# KiCad board chastity.kicad_pcb (continued)
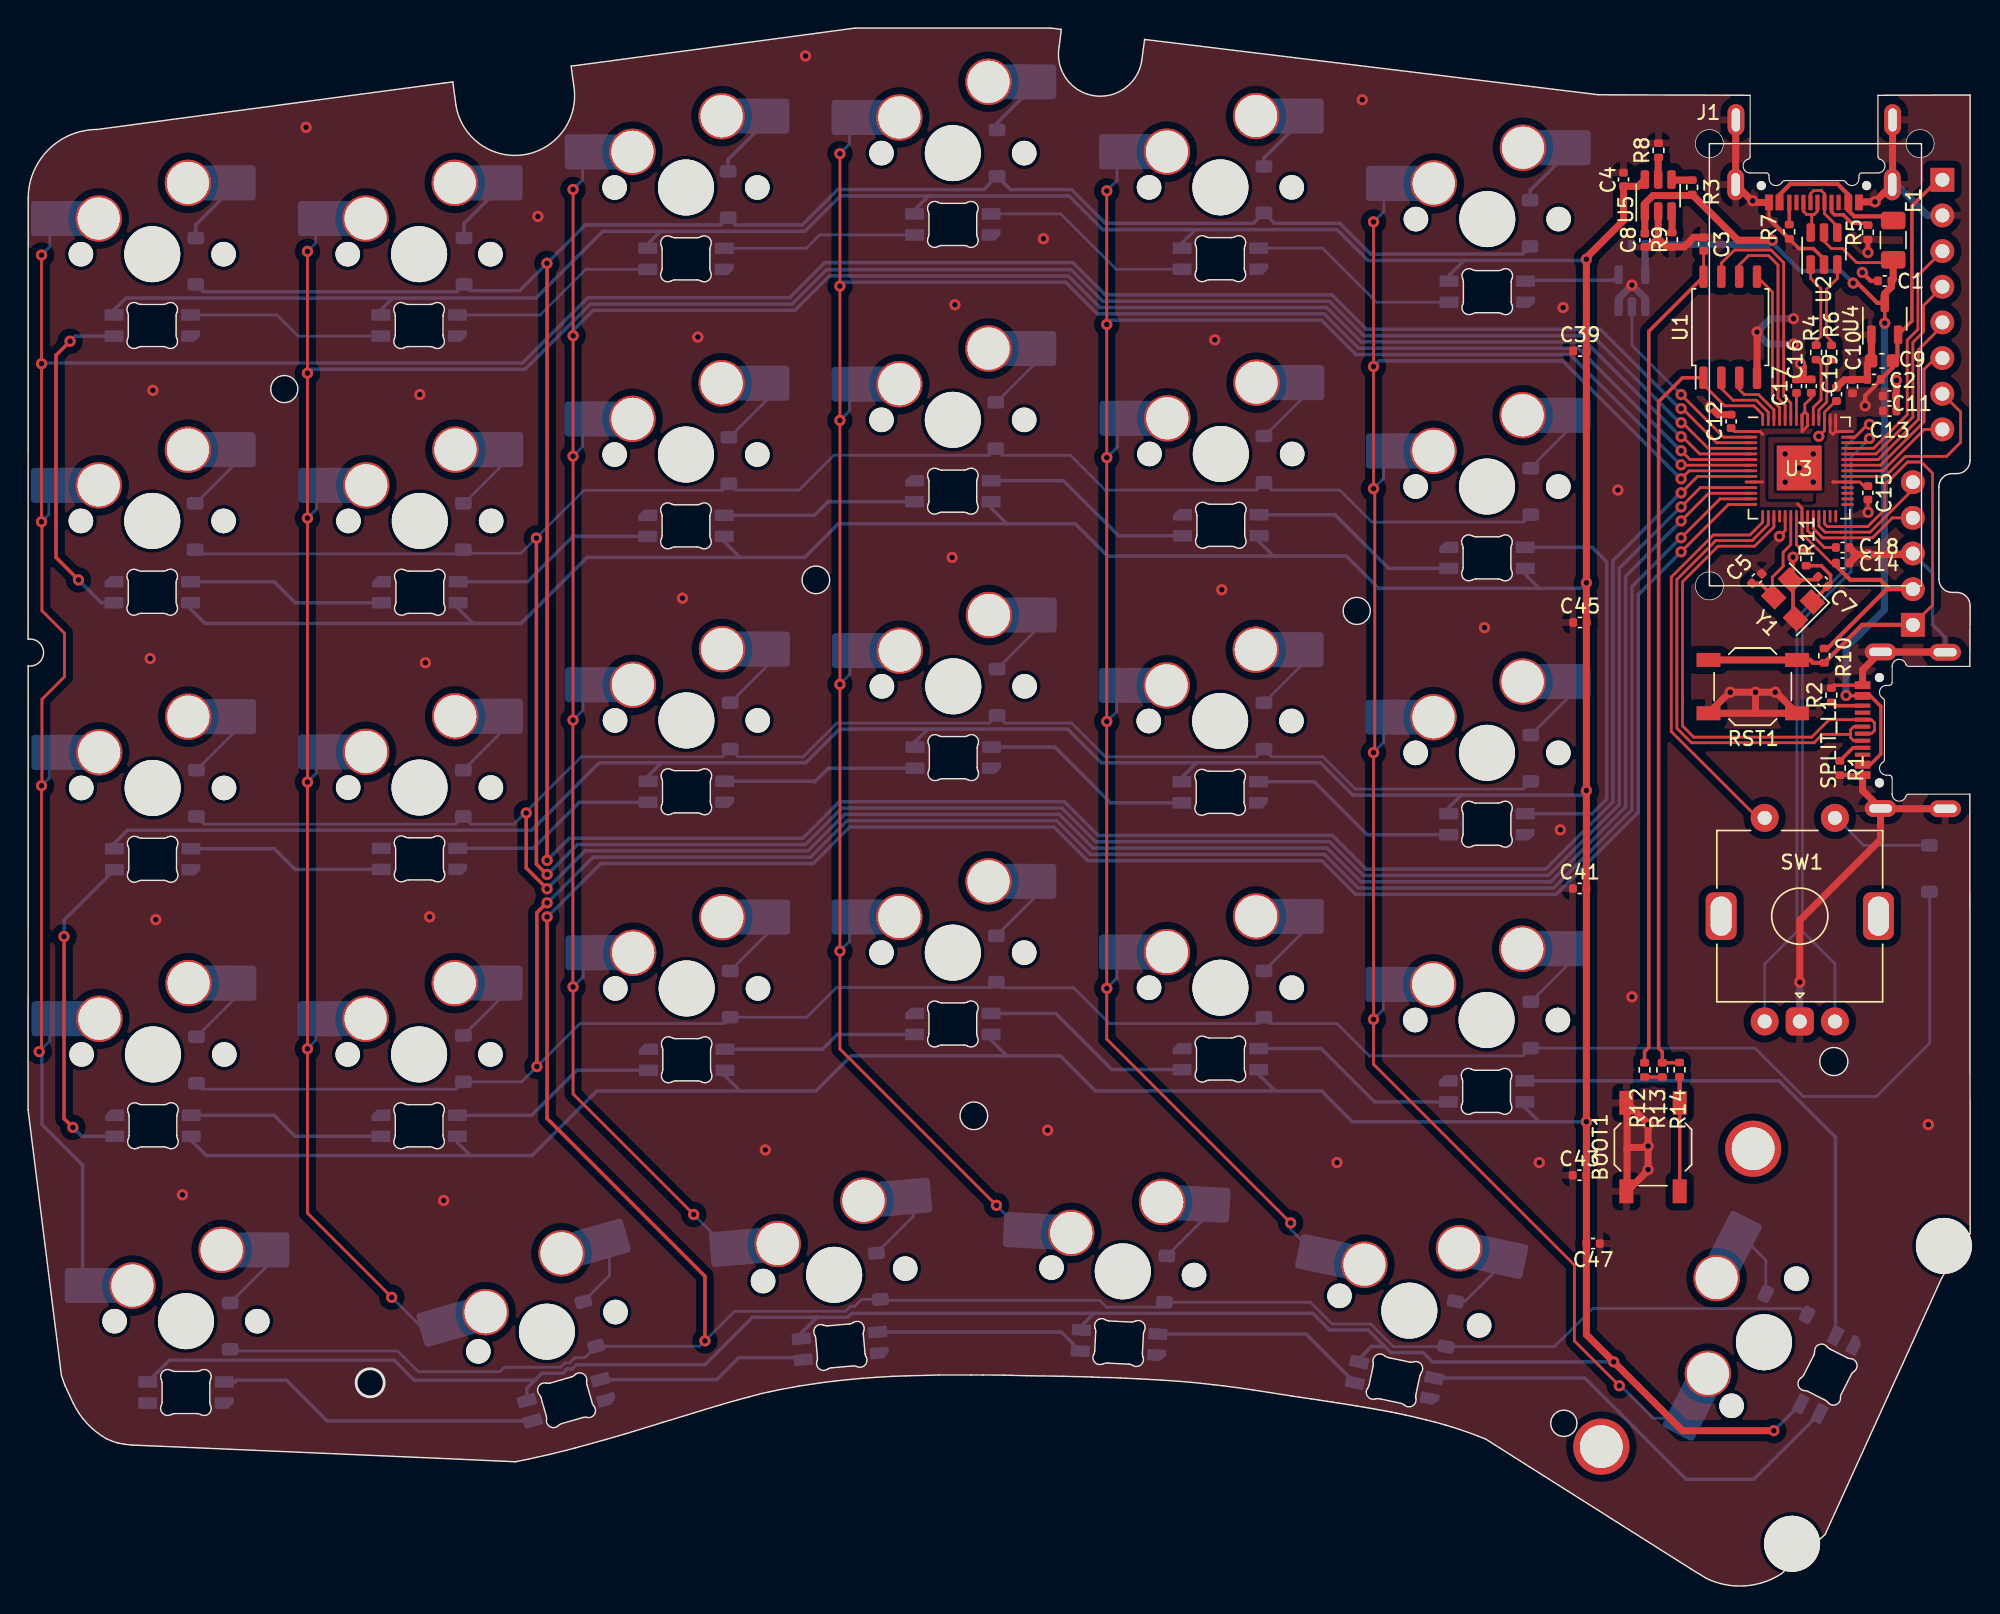
[diagram p0: board, top side]
## Nets
+1V1: C17.1 C18.1 C19.1 U3.23 U3.45 U3.50
+3V3: C2.1 C3.1 C9.1 C10.1 C11.1 C12.1 C13.1 C14.1 C15.1 C16.1 J2.2 J3.1 R10.2 R12.2 U1.8 U3.1 U3.10 U3.22 U3.33 U3.42 U3.43 U3.44 U3.48 U3.49 U4.2
GND: BOOT1.1 C1.2 C2.2 C3.2 C4.1 C5.1 C6.1 C7.2 C8.2 C9.2 C10.2 C11.2 C12.2 C13.2 C14.2 C15.2 C16.2 C17.2 C18.2 C19.2 C39.1 C41.1 C43.1 C45.1 C47.1 J1.A1 J1.A12 J1.B1 J1.B12 J1.S1 J2.3 J3.2 LED1.4 LED2.4 LED3.4 LED4.4 LED5.4 LED6.4 LED7.4 LED8.4 LED9.4 LED10.4 LED11.4 LED12.4 LED13.4 LED14.4 LED15.4 LED16.4 LED17.4 LED18.4 LED19.4 LED20.4 LED21.4 LED22.4 LED23.4 LED24.4 LED25.4 LED26.4 LED27.4 LED28.4 LED29.4 LED30.4 R1.2 R2.2 R5.2 R7.2 R8.2 R9.2 RST1.2 SPLIT_L1.A1 SPLIT_L1.A12 SPLIT_L1.B1 SPLIT_L1.B12 SPLIT_L1.S1 SW1.C U1.4 U2.2 U3.19 U3.57 U4.1 U5.2 U6.1 U6.3 Y1.2 Y1.4
VBUS: F1.1 J1.A4 J1.A9 J1.B4 J1.B9
bl_L: J3.8 U3.35
clk_L: J3.4 U3.38
col 0_L: SW1.S2 U3.15
col 1_L: MX6.1 MX12.1 MX18.1 MX24.1 MX30.1 U3.8
col 2_L: MX5.1 MX11.1 MX17.1 MX23.1 MX29.1 U3.7
col 3_L: MX4.1 MX10.1 MX16.1 MX22.1 MX28.1 U3.6
col 4_L: MX3.1 MX9.1 MX15.1 MX21.1 MX27.1 U3.5
col 5_L: MX2.1 MX8.1 MX14.1 MX20.1 MX26.1 U3.4
col 6_L: MX1.1 MX7.1 MX13.1 MX19.1 MX25.1 U3.3
cs_L: J3.5 U3.37
CURR_LIM_L: R8.1 U5.5
D_Split_L+: SPLIT_L1.A6 SPLIT_L1.B6 U3.17
D_Split_L-: SPLIT_L1.A7 SPLIT_L1.B7 U3.16
dc_L: J3.6 U3.36
DIN_L: J3.3 U3.39
DL+: R4.2 U2.1
DL-: R6.2 U2.3
DL_USB+: J1.A6 J1.B6 U2.6
DL_USB-: J1.A7 J1.B7 U2.4
LED_Data_3V3_L: U3.2 U6.2
LED_Data_5V_L: LED6.3 U6.4
LED_Pow_5V_L: C4.2 C39.2 C41.2 C43.2 C45.2 C47.2 LED1.1 LED2.1 LED3.1 LED4.1 LED5.1 LED6.1 LED7.1 LED8.1 LED9.1 LED10.1 LED11.1 LED12.1 LED13.1 LED14.1 LED15.1 LED16.1 LED17.1 LED18.1 LED19.1 LED20.1 LED21.1 LED22.1 LED23.1 LED24.1 LED25.1 LED26.1 LED27.1 LED28.1 LED29.1 LED30.1 U5.6
Q_CLK_L: U1.6 U3.52
Q_IO0_L: U1.5 U3.53
Q_IO1_L: U1.2 U3.55
Q_IO2_L: U1.3 U3.54
Q_IO3_L: U1.7 U3.51
Q_SEL_L: R13.1 R14.1 U1.1 U3.56
RESET_L: J2.1 R10.1 RST1.1 U3.26
rot A_L: SW1.A U3.41
rot B_L: SW1.B U3.40
row 0_L: D1.1 D2.1 D3.1 D4.1 D5.1 D6.1 U3.9
row 1_L: D7.1 D8.1 D9.1 D10.1 D11.1 D12.1 U3.11
row 2_L: D13.1 D14.1 D15.1 D16.1 D17.1 D18.1 U3.12
row 3_L: D19.1 D20.1 D21.1 D22.1 D23.1 D24.1 D61.1 U3.13
row 4_L: D25.1 D26.1 D27.1 D28.1 D29.1 D30.1 U3.14
rst_L: J3.7 U3.34
SK6803_EN_L: R9.1 U5.3
SK6803_NFAULT_L: R3.1 U5.4
Split_5v5_L: C1.1 C6.2 C8.1 F1.2 R3.2 SPLIT_L1.A4 SPLIT_L1.A9 SPLIT_L1.B4 SPLIT_L1.B9 U2.5 U4.3 U5.1 U6.5
SWC_L: J2.4 U3.24
SWD_L: J2.5 U3.25
XIN_L: C5.2 U3.20 Y1.3
XOUT_L: R11.1 U3.21
Net-(BOOT1-Pad2): BOOT1.2 R14.2
Net-(C7-Pad1): C7.1 R11.2 Y1.1
Net-(D1-A): D1.2 MX1.2
Net-(D2-A): D2.2 MX2.2
Net-(D3-A): D3.2 MX3.2
Net-(D4-A): D4.2 MX4.2
Net-(D5-A): D5.2 MX5.2
Net-(D6-A): D6.2 MX6.2
Net-(D7-A): D7.2 MX7.2
Net-(D8-A): D8.2 MX8.2
Net-(D9-A): D9.2 MX9.2
Net-(D10-A): D10.2 MX10.2
Net-(D11-A): D11.2 MX11.2
Net-(D12-A): D12.2 MX12.2
Net-(D13-A): D13.2 MX13.2
Net-(D14-A): D14.2 MX14.2
Net-(D15-A): D15.2 MX15.2
Net-(D16-A): D16.2 MX16.2
Net-(D17-A): D17.2 MX17.2
Net-(D18-A): D18.2 MX18.2
Net-(D19-A): D19.2 MX19.2
Net-(D20-A): D20.2 MX20.2
Net-(D21-A): D21.2 MX21.2
Net-(D22-A): D22.2 MX22.2
Net-(D23-A): D23.2 MX23.2
Net-(D24-A): D24.2 MX24.2
Net-(D25-A): D25.2 MX25.2
Net-(D26-A): D26.2 MX26.2
Net-(D27-A): D27.2 MX27.2
Net-(D28-A): D28.2 MX28.2
Net-(D29-A): D29.2 MX29.2
Net-(D30-A): D30.2 MX30.2
Net-(D61-A): D61.2 SW1.S1
Net-(J1-CC1): J1.A5 R5.1
Net-(J1-CC2): J1.B5 R7.1
Net-(LED1-DIN): LED1.3 LED2.2
Net-(LED1-DOUT): LED1.2 LED7.3
Net-(LED2-DIN): LED2.3 LED3.2
Net-(LED3-DIN): LED3.3 LED4.2
Net-(LED4-DIN): LED4.3 LED5.2
Net-(LED5-DIN): LED5.3 LED6.2
Net-(LED7-DOUT): LED7.2 LED8.3
Net-(LED8-DOUT): LED8.2 LED9.3
Net-(LED10-DIN): LED9.2 LED10.3
Net-(LED10-DOUT): LED10.2 LED11.3
Net-(LED11-DOUT): LED11.2 LED12.3
Net-(LED12-DOUT): LED12.2 LED18.3
Net-(LED13-DIN): LED13.3 LED14.2
Net-(LED13-DOUT): LED13.2 LED19.3
Net-(LED14-DIN): LED14.3 LED15.2
Net-(LED15-DIN): LED15.3 LED16.2
Net-(LED16-DIN): LED16.3 LED17.2
Net-(LED17-DIN): LED17.3 LED18.2
Net-(LED19-DOUT): LED19.2 LED20.3
Net-(LED20-DOUT): LED20.2 LED21.3
Net-(LED21-DOUT): LED21.2 LED22.3
Net-(LED22-DOUT): LED22.2 LED23.3
Net-(LED23-DOUT): LED23.2 LED24.3
Net-(LED24-DOUT): LED24.2 LED30.3
Net-(LED25-DIN): LED25.3 LED26.2
Net-(LED26-DIN): LED26.3 LED27.2
Net-(LED27-DIN): LED27.3 LED28.2
Net-(LED28-DIN): LED28.3 LED29.2
Net-(LED29-DIN): LED29.3 LED30.2
Net-(R12-Pad1): R12.1 R13.2
Net-(SPLIT_L1-CC1): R1.1 SPLIT_L1.A5
Net-(SPLIT_L1-CC2): R2.1 SPLIT_L1.B5
Net-(U3-USB_DM): R6.1 U3.46
Net-(U3-USB_DP): R4.1 U3.47

Pads without a net: J1 A8 B8; LED25 2; SPLIT_L1 A8 B8; SW1 MP; U3 18 27 28 29 30 31 32

## Via types
v1: diameter 0.8, hole 0.4, Top to Bottom, 131 vias

## Routing (per net, layer and track width the routed paths; a pad name or vN(x,y) marks a point on that pad's centre or on a via; arc(x,y) is an arc through that point)
+1V1: length 9.2
  Top w0.2: v1(127.49,81.89) 127.9,82.3 U3.45 ; U3.45 127.9,83.61 128.7,84.41 C19.1 ; U3.45 127.9,82.44 ; C17.1 125.9,84.44 125.9,84.44 U3.50 ; U3.23 126.7,75.17 127.89,73.97 C18.1
+3V3: length 109.4
  Top w0.2: C15.1 130.71,78.35 130.42,78.64 U3.33 128.5,78.64 128.5,78.64 128.7,78.64 ; 128.7,82.24 128.7,82.24 U3.42 ; 128.7,82.24 128.5,82.04 128.3,82.24 U3.44 ; 128.7,82.24 U3.43 ; 125.99,77.07 126.3,76.76 U3.22 126.3,74.96 128.39,72.87 C14.1 ; 126.5,83.64 126.7,83.44 U3.48 126.7,82.64 126.3,82.24 U3.49 126.3,83.44 126.5,83.64 ; 126.5,83.64 126.5,84.18 126.96,84.63 C16.1 ; U1.8 119.29,93.28 C3.1 ; U3.10 123.49,78.64 ; C12.1 121.49,82.24 U3.1 123.29,82.24 123.5,82.04
  Top w0.25: U1.8 115.39,89.37 115.39,38.37 115.09,38.07 R12.2 ; U4.2 134.12,90.12 134.12,98.3 135.59,99.77
  Top w0.3: 132.53,71.01 132.33,71.01 128.1,66.78 R10.2 ; 132.53,71.01 J2.2 ; 132.53,71.01 131.87,71.67 129.74,71.67 128.77,72.63 128.77,72.8 C14.1 ; v1(130.79,84.07) 130.79,84.79 131.9,85.9 C2.1 132.76,86.81 C9.1 133.09,87.59 133.09,89.08 U4.2
GND: length 165.6
  Top w0.2: v1(131,76.48) 130.99,76.49 C15.2 ; v1(124.69,74.77) 125.1,75.18 U3.19 ; R7.2 123.95,97.4 J1.A12 123.83,98.67 v1(122.79,98.67) ; 131.24,87.29 C9.2
  Top w0.25: R7.2 126.08,95.27 127.11,95.27 127.86,94.51 U2.2 ; SPLIT_L1.A12 130.61,64.16 128.58,64.16 R2.2 ; R1.2 128.99,57.76 SPLIT_L1.A1 ; Y1.4 125.65,69.08 125.65,71.49 Y1.2 ; C7.2 127.23,71.69 125.5,71.69 125.65,71.84 v1(125.65,73.29)
  Top w0.3: J1.S1 132.72,104.41 J1.S1 ; 122.99,98.47 v1(122.79,98.67) ; v1(131.49,98.6) 131.44,98.55 J1.A1 ; v1(130.59,93.57) 131.2,92.96 C1.2 ; 124,97.35 R7.2 ; v1(130.99,94.98) 130.99,95.92
  Top w0.5: 113.84,31.24 115.24,31.24 v1(115.34,31.34) ; 117.07,95.36 R9.2 117.91,95.39 118.59,96.07 C3.2 ; 122.99,62.17 RST1.2 121.14,63.67 v1(121.19,63.67) v1(122.99,63.67) ; 122.99,62.17 RST1.2 124.44,63.67 v1(124.39,63.67) v1(122.99,63.67) ; 122.99,62.17 v1(122.99,63.67) ; J2.3 134.11,73.47 v1(130.99,73.47) 130.17,73.47 ; 130.17,73.47 C18.2 ; 130.17,73.47 130.17,73.37 C14.2 ; 116.04,96.02 115.4,95.38 C8.2 ; 116.04,96.02 116.7,95.36 ; 116.04,96.02 116.06,96.04 U5.2 ; C9.2 130.94,87 C2.2 129.92,85.95 C10.2 129.3,85.92 C19.2 ; 130.61,64.25 SPLIT_L1.A12 130.61,65.26 SPLIT_L1.S1 136.47,66.54 ; 131.24,87.29 U4.1 ; J1.S1 121.57,104.41 J1.S1 122.73,98.67 v1(122.79,98.67) 122.91,98.55 J1.A12 ; 115.34,29.62 113.84,28.12 113.84,34.42 115.34,32.92 ; J1.S1 132.74,99.85 J1.S1 v1(131.49,98.6) 130.39,98.6 J1.A1 ; C12.2 120.32,83.44 v1(119.77,83.99) ; SPLIT_L1.S1 130.61,56.67 SPLIT_L1.A1 ; SPLIT_L1.S1 131.91,55.37 SPLIT_L1.S1 ; SPLIT_L1.S1 131.89,53.17 126.14,47.42 v1(126.14,43.02) ; v1(133.01,85.88) C13.2 ; C17.2 126.39,85.95 ; 126.39,85.95 C16.2 ; 126.39,85.95 126.39,86.87 v1(126.19,87.07) ; v1(115.34,31.34) v1(115.34,32.87) ; v1(115.34,31.34) v1(115.34,29.67) ; v1(123.09,89.32) U1.4
  Bottom w0.25: J2.3 135.59,72.15 135.59,68.47 136.49,67.57 SPLIT_L1.S1
  Bottom w0.3: J1.S1 122.73,98.67 v1(122.79,98.67)
  Bottom w0.5: SW1.C v1(126.14,43.02) ; v1(125.69,88.47) 123.89,88.47 123.09,89.26 v1(123.09,89.32) 124.04,90.27 v1(125.69,90.27) ; 134.07,73.43 J2.3 ; U6.3 113.24,91.72 v1(114.19,92.67) 115.14,91.72 U6.1 ; SPLIT_L1.S1 131.91,66.52 SPLIT_L1.S1 ; J1.S1 133.03,99.83 135.23,97.63 J3.2
  vias: v1(8.69,66.07) v1(8.89,85.17) v1(9.09,47.47) v1(10.99,27.87) v1(19.79,103.91) v1(27.89,84.87) v1(28.29,65.77) v1(28.59,47.67) v1(29.59,27.47) v1(36.3,97.56) v1(46.59,70.37) v1(47.69,88.97) v1(52.49,31.07) v1(55.35,108.99) v1(65.79,73.27) v1(65.99,91.27) v1(72.29,95.97) v1(72.59,32.47) v1(84.49,88.77) v1(84.99,70.97) v1(93.19,30.17) v1(94.99,105.87) v1(103.69,68.27) v1(107.59,30.17) v1(109.09,53.87) v1(109.29,91.07) v1(113.19,78.07) v1(114.19,41.97) v1(125.1,80.64) v1(125.1,78.64) v1(126.1,79.64) v1(127.1,80.64) v1(127.1,78.64) v1(135.29,32.87)
VBUS: length 10.7
  Top w0.3: F1.1 132.5,97.56 130.02,97.56 129.6,97.98 J1.A4 129.6,99.1 128.83,99.87 125.46,99.87 124.7,99.1 J1.A9
bl_L: length 8
  Top w0.2: J3.8 135.01,82.39 132.06,79.44 U3.35
clk_L: length 15.9
  Top w0.2: U3.38 131.56,80.64 134.19,83.27 134.19,88.58 134.95,89.35 134.95,91.21 J3.4
col 0_L: length 28.7
  Top w0.2: SW1.S2 123.14,54.72 116.99,60.87 116.99,71.87 119.99,74.87 122.59,74.87 123.5,75.78 U3.15
col 1_L: length 138.8
  Top w0.2: U3.8 118.26,79.44 v1(117.69,78.87) ; 95.7,59.28 v1(95.79,59.37) v1(95.79,40.37) 95.79,37.17 110.09,22.87 110.09,17.47 v1(113.29,14.27) ; 95.7,78.08 95.79,77.99 ; 95.88,78.08 95.88,59.46 ; v1(95.79,97.17) v1(95.79,78.17)
  Bottom w0.2: 95.7,78.08 96.51,78.89 MX12.1 ; MX18.1 96.51,60.09 95.7,59.28 ; v1(113.29,14.27) 113.39,14.27 115.69,11.96 MX30.1 ; MX24.1 96.48,41.06 95.7,40.28 ; 95.7,97.08 96.53,97.91 MX6.1
  Bottom w0.25: v1(95.79,86.87) 96.19,87.27 109.26,87.27 117.66,78.87 v1(117.69,78.87)
col 2_L: length 144.1
  Top w0.2: v1(76.8,99.38) v1(76.8,80.38) v1(76.8,61.58) v1(76.8,42.58) 76.8,38.96 v1(89.89,25.87) ; U3.7 117.72,79.84 v1(117.69,79.87)
  Bottom w0.2: v1(76.8,61.58) 77.51,62.29 MX17.1 ; v1(76.8,80.38) 77.56,81.14 MX11.1 ; v1(89.89,25.87) 89.89,25.41 MX29.1 ; MX23.1 77.53,43.31 v1(76.8,42.58) ; v1(76.8,99.38) 77.53,100.11 MX5.1
  Bottom w0.25: v1(117.69,79.87) 117.64,79.87 109.79,87.72 94.54,87.72 92.09,90.17 77.1,90.17 v1(76.8,89.87)
col 3_L: length 163.4
  Top w0.2: v1(68.94,27.12) 68.94,27.12 57.8,38.26 v1(57.8,45.23) v1(57.8,64.23) v1(57.8,83.03) v1(57.8,102.03) ; v1(117.69,80.87) 118.32,80.24 U3.6
  Bottom w0.2: v1(57.8,45.23) 58.48,45.91 MX22.1 ; MX4.1 58.48,102.71 v1(57.8,102.03) ; v1(57.8,64.23) 58.51,64.94 MX16.1 ; MX10.1 58.48,83.71 v1(57.8,83.03) ; v1(68.94,27.12) MX28.1
  Bottom w0.25: v1(117.69,80.87) 117.66,80.87 110.36,88.17 94.72,88.17 92.27,90.62 76.13,90.62 73.88,92.87 58.07,92.87 v1(57.8,92.59)
col 4_L: length 182.6
  Top w0.2: v1(47.39,26.47) 38.8,35.06 v1(38.8,42.68) 38.79,42.69 38.79,61.67 v1(38.8,61.68) v1(38.8,80.48) v1(38.8,99.48) ; U3.5 119.02,80.64 117.79,81.87 v1(117.69,81.87)
  Bottom w0.2: v1(47.39,26.47) 49.8,24.06 MX27.1 ; v1(38.8,42.68) 39.53,43.41 MX21.1 ; v1(38.8,61.68) 39.51,62.39 MX15.1 ; MX9.1 39.48,81.16 v1(38.8,80.48) ; v1(38.8,99.48) 39.48,100.16 MX3.1
  Bottom w0.25: v1(38.81,89.06) 38.81,89.45 40.22,90.87 54.59,90.87 57.04,93.32 74.07,93.32 76.31,91.07 92.46,91.07 94.91,88.62 110.91,88.62 117.66,81.87 v1(117.69,81.87)
col 5_L: length 202.2
  Top w0.2: v1(117.69,82.87) 117.79,82.87 119.62,81.04 U3.4 ; v1(25.89,20.57) 19.89,26.57 v1(19.89,38.27) v1(19.89,57.27) v1(19.89,76.07) v1(19.89,95.07)
  Bottom w0.2: v1(19.89,76.07) 20.53,76.71 MX8.1 ; MX26.1 27.93,18.53 v1(25.89,20.57) ; MX2.1 20.48,95.66 v1(19.89,95.07) ; v1(19.89,57.27) 20.51,57.89 MX14.1 ; v1(19.89,38.27) 20.48,38.86 MX20.1
  Bottom w0.25: v1(19.89,86.39) 20.16,86.67 35.39,86.67 40.04,91.32 54.4,91.32 56.85,93.77 74.25,93.77 76.5,91.52 92.65,91.52 95.1,89.07 111.39,89.07 117.59,82.87 v1(117.69,82.87)
col 6_L: length 216.8
  Top w0.2: v1(0.95,94.81) v1(0.95,87.07) v1(0.95,75.81) 0.99,75.77 0.99,69.47 2.59,67.87 2.59,64.77 0.99,63.17 0.99,57.04 v1(0.95,57.01) 0.95,38.23 v1(0.79,38.07) ; v1(117.69,83.87) 117.79,83.87 120.22,81.44 U3.3
  Bottom w0.2: MX19.1 1.53,38.81 v1(0.79,38.07) ; v1(0.95,57.01) 1.51,57.56 MX13.1 ; MX7.1 1.48,76.33 v1(0.95,75.81) ; v1(0.95,94.81) 1.54,95.4 1.54,97.15
  Bottom w0.25: 1.51,40.43 MX19.1 ; v1(0.95,87.07) 1,87.12 35.2,87.12 39.85,91.77 54.22,91.77 56.72,94.27 74.39,94.27 76.69,91.97 92.83,91.97 95.28,89.52 111.94,89.52 117.59,83.87 v1(117.69,83.87) ; v1(0.79,38.07) 0.99,37.87 0.99,32.87 3.88,29.98 MX25.1 ; 1.48,59.42 MX13.1
cs_L: length 13.8
  Top w0.2: U3.37 131.73,80.24 134.59,83.1 134.59,88.07 136.29,89.77 J3.5
CURR_LIM_L: length 1.6
  Top w0.5: R8.1 116.06,101.73 U5.5
D_Split_L+: length 35.3
  Top w0.2: U3.17 124.3,75.44 122.92,74.07 120.32,74.07 117.79,71.54 117.79,61.27 118.59,60.47 126.99,60.47 128.23,61.71 SPLIT_L1.B6 131.23,61.71 131.46,61.49 131.46,60.94 131.23,60.71 SPLIT_L1.A6
D_Split_L-: length 34.8
  Top w0.2: SPLIT_L1.B7 129.98,60.21 129.76,60.44 129.76,60.67 ; SPLIT_L1.A7 129.98,61.21 129.76,60.99 129.76,60.67 ; 129.76,60.67 127.75,60.67 127.15,60.07 118.42,60.07 117.39,61.1 117.39,71.7 120.15,74.47 122.75,74.47 123.9,75.61 U3.16
dc_L: length 12.1
  Top w0.2: U3.36 131.89,79.84 134.99,82.94 134.99,86.67 135.79,87.47 J3.6
DIN_L: length 17.9
  Top w0.2: J3.3 134.55,93.35 134.55,89.51 133.79,88.75 133.79,83.43 132.28,81.92 132.27,81.92 131.39,81.04 U3.39
DL+: length 6.2
  Top w0.2: U2.1 126.91,93.14 127.64,92.41 127.64,89 127.3,88.66 R4.2
DL-: length 6.2
  Top w0.2: R6.2 128.39,88.67 128.04,89.02 128.04,92.36 128.81,93.14 U2.3
DL_USB+: length 3.8
  Top w0.2: J1.A6 127.4,97.93 127.17,97.7 126.62,97.7 126.4,97.93 J1.B6 ; 126.99,97.7 126.99,96.48 U2.6
DL_USB-: length 5
  Top w0.2: J1.A7 126.9,99.17 127.12,99.4 127.67,99.4 127.9,99.17 J1.B7 127.9,97.76 128.81,96.84 U2.4
LED_Data_3V3_L: length 13.9
  Top w0.2: U3.2 120.72,81.84 v1(117.69,84.87)
  Bottom w0.2: U6.2 114.19,88.37 v1(117.69,84.87)
LED_Data_5V_L: length 6.8
  Bottom w0.25: U6.4 112.84,93 106.67,93 LED6.3
LED_Pow_5V_L: length 686.4
  Top w0.5: v1(124.29,11.07) 117.79,11.07 v1(112.89,15.97) 110.94,17.91 v1(110.94,33.07) v1(110.94,56.67) v1(110.94,94.51) 110.94,94.62 113.59,97.27 C4.2 114.63,99.71 U5.6
  Bottom w0.25: LED26.1 35.51,14.09 36.09,14.67 ; LED7.1 11.56,69.59 12.59,68.57 31.69,68.57 ; LED18.1 101.14,55.45 102.04,56.34 ; 69.69,75.67 68.56,76.79 68.56,77.24 ; 69.69,75.67 57.69,75.67 55.29,73.27 39.79,73.27 35.09,68.57 31.69,68.57 ; 69.69,75.67 74.55,75.67 76.85,73.37 88.89,73.37 ; 102.29,94.42 95.39,94.42 93.2,96.62 83.11,96.62 ; 102.29,94.42 110.86,94.42 v1(110.94,94.51) ; 102.29,94.42 102.25,94.42 101.16,93.34 LED6.1 ; LED5.1 82.16,95.67 83.11,96.62 ; 50.69,35.27 40.49,35.27 35.89,30.67 31.49,30.67 ; 50.69,35.27 56.09,35.27 58.59,37.77 73.49,37.77 75.99,35.27 88.79,35.27 ; 50.69,35.27 49.61,36.34 LED21.1 ; v1(110.94,33.07) 94.29,33.07 92.09,35.27 88.79,35.27 ; 31.69,68.57 30.61,69.64 LED8.1 ; 45.09,58.64 55.36,58.64 57.76,61.04 74.01,61.04 76.41,58.64 92.01,58.64 94.31,56.34 102.04,56.34 ; 45.09,58.64 44.14,57.7 LED15.1 ; 45.09,58.64 40.66,58.64 35.86,53.84 7.08,53.84 6.14,52.9 LED13.1 ; 31.49,30.67 12.69,30.67 11.61,31.74 LED19.1 ; 31.49,30.67 30.56,31.59 LED20.1 ; v1(110.94,71.47) 110.54,71.07 107.59,71.07 ; 83.11,96.62 76.5,96.62 74.1,99.02 57.82,99.02 55.31,96.5 45.02,96.5 ; 64.09,61.04 64.06,61.04 63.14,60.12 LED16.1 ; 102.04,56.34 110.62,56.34 v1(110.94,56.67) ; LED12.1 106.59,72.06 107.59,71.07 ; 107.59,71.07 96.15,71.07 93.85,73.37 88.89,73.37 ; 88.89,73.37 88.66,73.37 87.64,74.38 LED11.1 ; 88.79,35.27 87.61,36.44 LED23.1 ; LED29.1 94.77,16.2 95.64,17.07 96.59,17.07 ; 36.09,14.67 27.49,14.67 26.06,16.09 10.07,16.09 LED25.1 ; 36.09,14.67 36.58,15.16 38.08,15.16 38.39,15.47 38.74,15.47 39.04,15.77 48.19,15.77 51.56,19.14 58.36,19.14 58.64,19.43 91.48,19.43 92.66,18.24 95.41,18.24 97.03,16.63 99.33,16.63 99.99,15.97 v1(112.89,15.97) ; 45.02,96.5 40.92,96.5 36.16,91.74 25.96,91.74 ; 45.02,96.5 44.11,95.59 LED3.1 ; 50.69,73.27 49.56,74.39 49.56,74.77 ; LED1.1 6.11,90.89 6.96,91.74 25.96,91.74 ; LED27.1 55.05,18.03 56.16,19.14 56.19,19.14 ; 107.59,33.07 106.56,34.09 LED24.1 ; 83.19,58.64 82.14,57.6 LED17.1 ; LED2.1 25.11,90.89 25.96,91.74 ; LED4.1 63.11,98.02 64.11,99.02 64.19,99.02 ; LED28.1 74.99,18.53 75.89,19.43 ; 69.69,37.77 68.56,38.89 68.56,39.29 ; v1(124.29,11.07) 124.3,11.07 LED30.1
Q_CLK_L: length 15.4
  Top w0.2: 121.82,93.27 121.82,94.1 122.49,94.77 123.92,94.77 124.59,94.1 124.59,84.61 125.1,84.11 U3.52
Q_IO0_L: length 10.9
  Top w0.2: U3.53 124.7,83.94 124.19,84.45 124.19,92.17 U1.5
Q_IO1_L: length 5.3
  Top w0.2: U1.2 120.55,85.3 121.39,84.47 123.04,84.47 123.9,83.61 U3.55
Q_IO2_L: length 4.6
  Top w0.2: U3.54 124.3,83.77 123.2,84.87 122.19,84.87 121.82,85.23 121.82,86.07
Q_IO3_L: length 17.6
  Top w0.2: U1.7 120.55,94.23 121.49,95.17 124.09,95.17 124.99,94.27 124.99,84.78 125.5,84.27 U3.51
Q_SEL_L: length 58.3
  Top w0.2: U1.1 119.28,85.57 120.79,84.07 122.87,84.07 123.5,83.44 U3.56
  Top w0.25: R14.1 117.56,37.27 R13.1 116.35,38.06 116.09,38.32 116.09,84.37 117.79,86.07 U1.1
RESET_L: length 38.7
  Top w0.2: U3.26 127.9,75.67 128.1,75.46 128.89,75.46 128.9,75.47 130.98,75.47 132.19,76.68 132.19,78.47 132.36,78.64 132.39,78.64 133.82,80.07 134.79,80.07 135.59,79.27 135.59,69.87 J2.1
  Top w0.3: RST1.1 126.89,65.97 127.1,65.76 R10.1 130.59,68.47 J2.1
  Top w0.5: RST1.1 RST1.1
rot A_L: length 47.6
  Top w0.2: v1(131.1,82.74) 130.97,82.74 130.07,81.84 U3.41
  Bottom w0.2: v1(131.1,82.74) 130.97,82.74 129.39,81.17 129.39,72.43 125.93,68.98 125.93,46.61 123.64,44.32 SW1.A
rot B_L: length 46.2
  Top w0.2: v1(131.1,81.74) 131.1,81.73 130.81,81.44 U3.40
  Bottom w0.2: SW1.B 128.64,44.34 126.33,46.65 126.33,68.81 129.79,72.27 129.79,80.41 131.1,81.73 v1(131.1,81.74)
row 0_L: length 256.2
  Top w0.2: v1(117.69,77.87) 118.86,79.04 U3.9
  Top w0.25: v1(36.94,94.22) 36.95,94.21 v1(36.95,51.69)
  Bottom w0.25: D6.1 106.4,94.87 95.58,94.87 93.39,97.07 88.74,97.07 D5.1 87.24,97.07 76.69,97.07 74.29,99.47 69.94,99.47 D4.1 68.04,99.47 57.64,99.47 55.12,96.95 50.36,96.95 D3.1 49.32,96.95 39.67,96.95 34.99,92.27 31.49,92.27 D2.1 30.51,92.19 12.46,92.19 D1.1 ; v1(36.95,51.69) 38.53,53.27 55.15,53.27 57.75,55.87 73.79,55.87 76.19,53.47 92.86,53.47 95.26,51.07 108.04,51.07 112.84,55.86 112.84,73.04 117.66,77.87 v1(117.69,77.87)
row 1_L: length 237
  Top w0.2: v1(117.69,76.87) 119.06,78.24 U3.11
  Top w0.25: v1(36.95,50.69) 36.92,50.69 36.19,51.43 v1(36.19,74.65)
  Bottom w0.2: D7.1 12.18,73.52 30.69,73.52 D8.1 31.24,73.57 35.09,73.57 39.57,78.05 49.42,78.05 D9.1 50.34,78.07 54.89,78.07 57.37,80.55 68.42,80.55 D10.1 69.36,80.55 74.21,80.55 76.69,78.07 87.44,78.07 D11.1 88.54,78.07 93.39,78.07 95.67,75.79 106.46,75.79 D12.1
  Bottom w0.25: v1(117.69,76.87) 117.66,76.87 113.29,72.49 113.29,55.68 108.23,50.62 95.07,50.62 92.67,53.02 76,53.02 73.6,55.42 57.94,55.42 55.34,52.82 39.1,52.82 36.98,50.69 v1(36.95,50.69)
row 2_L: length 219.2
  Top w0.2: v1(117.69,75.87) 119.66,77.84 U3.12
  Top w0.25: v1(35.46,55.07) 35.46,51.15 v1(36.95,49.67)
  Bottom w0.2: D18.1 106.44,56.77 94.49,56.77 92.19,59.07 88.54,59.07 D17.1 87.44,59.07 76.69,59.07 74.29,61.47 69.54,61.47 D16.1 68.44,61.47 57.59,61.47 55.19,59.07 50.54,59.07 D15.1 49.44,59.07 39.39,59.07 34.59,54.27 31.54,54.27 D14.1 30.44,54.27 12.54,54.27 D13.1
  Bottom w0.25: v1(117.69,75.87) 113.74,71.92 113.74,55.49 108.42,50.17 94.89,50.17 92.49,52.57 75.82,52.57 73.42,54.97 58.12,54.97 55.52,52.37 39.65,52.37 36.95,49.67 v1(36.95,49.67)
row 3_L: length 266.2
  Top w0.2: U3.13 120.46,77.44 v1(117.69,74.67)
  Top w0.25: v1(36.95,48.67) 36.92,48.67 36.22,47.97 v1(36.22,37)
  Bottom w0.2: D19.1 12.41,35.4 30.47,35.4 D20.1 35.14,35.92 39.29,40.07 49.54,40.07 D21.1 55.44,40.52 57.55,42.63 68.55,42.63 D22.1 69.35,42.61 74.45,42.61 76.99,40.07 87.54,40.07 D23.1 88.44,40.07 93.19,40.07 95.49,37.77 106.44,37.77 D24.1 122.94,38.32 126.39,34.87 131.59,34.87 135.39,38.67 135.39,49.43 D61.1
  Bottom w0.25: v1(36.95,48.67) 36.98,48.67 40.23,51.92 55.71,51.92 58.31,54.52 73.23,54.52 75.63,52.12 92.3,52.12 94.7,49.72 108.6,49.72 114.19,55.3 114.19,71.19 117.66,74.67 v1(117.69,74.67)
row 4_L: length 263.9
  Top w0.2: U3.14 121.06,77.04 v1(117.69,73.67)
  Top w0.25: v1(48.19,17.47) 48.19,22.07 36.95,33.31 v1(36.95,47.67)
  Bottom w0.2: D25.1 14.52,16.74 26.32,16.74 27.79,15.27 33.59,15.27 33.91,15.59 37.9,15.59 38.21,15.9 38.56,15.9 38.93,16.27 39.63,16.27 D26.1 47.8,17.08 50.29,19.57 58.19,19.57 58.55,19.93 58.85,19.93 59.34,20.42 D27.1 60.75,20.35 76.29,20.35 76.78,19.87 80.55,19.87 D28.1 91.29,20.22 92.84,18.67 95.59,18.67 97.2,17.05 D29.1 108.67,17.05 111.39,19.77 126.21,19.77 D30.1
  Bottom w0.25: 36.95,47.73 v1(36.95,47.67) 36.98,47.67 40.78,51.47 55.9,51.47 58.5,54.07 73.04,54.07 75.44,51.67 92.12,51.67 94.52,49.27 108.79,49.27 114.64,55.12 114.64,70.62 v1(117.69,73.67)
rst_L: length 13.1
  Top w0.2: U3.34 132.22,79.04 133.65,80.47 136.59,80.47 137.59,81.47 137.59,83.63 J3.7
SK6803_EN_L: length 1.5
  Top w0.5: U5.3 117.04,97.87 R9.1
SK6803_NFAULT_L: length 1.5
  Top w0.5: U5.4 117.05,100.14 R3.1
Split_5v5_L: length 80.7
  Top w0.2: U2.5 127.86,95.79 128.39,95.27 129.19,95.27 130.19,94.27 132.59,94.27 F1.2
  Top w0.25: SPLIT_L1.A4 131.16,58.51 131.91,59.26 131.91,62.66 131.16,63.41 SPLIT_L1.A9 129.46,63.41 v1(129.44,63.44) ; v1(132.19,89.96) U4.3
  Top w0.3: U4.3 131.65,91.4 130.25,92.81 v1(129.94,92.81)
  Top w0.5: U4.3 132.19,92.07 132.67,92.55 C1.1 132.79,93.08 F1.2 ; C8.1 115.11,96.34 U5.1 115.11,98.47 115.68,99.04 118.39,99.04 R3.2 121.73,95.87 v1(124.19,95.87)
  Bottom w0.3: v1(129.94,92.81) 129.08,93.67 126.19,93.67 124.19,95.67 v1(124.19,95.87)
  Bottom w0.5: v1(132.19,89.96) 132.16,89.93 132.16,69.54 129.44,66.81 v1(129.44,63.44) ; v1(124.19,95.87) 123.89,95.57 C6.2 115.14,94.55 115.13,94.55 115.13,93.41 U6.5 115.18,93.37
SWC_L: length 8.8
  Top w0.2: J2.4 132.73,76.09 131.31,74.67 129.23,74.67 129.22,74.66 127.77,74.66 127.1,75.34 U3.24
SWD_L: length 9.4
  Top w0.2: U3.25 127.5,75.5 127.94,75.06 129.06,75.06 129.06,75.07 131.14,75.07 134.19,78.11 J2.5
XIN_L: length 8.3
  Top w0.2: U3.20 125.5,74.18 124.95,73.63 124.95,72.63 124.19,71.87 124.19,70.55 Y1.3
  Top w0.25: C5.2 123.31,71.43 Y1.3 124.23,70.5
XOUT_L: length 2.9
  Top w0.2: U3.21 125.9,74.18 126.37,73.7 R11.1
Net-(BOOT1-Pad2): length 8.2
  Top w0.25: BOOT1.2 BOOT1.2
  Top w0.3: BOOT1.2 117.59,36.26 R14.2
Net-(C7-Pad1): length 4.5
  Top w0.25: Y1.1 128.11,71.19 C7.1 128.33,71.43 128.33,72.01 127.66,72.68 R11.2
Net-(D1-A): length 5.2
  Bottom w0.25: MX1.2 11.94,96.96 D1.2
Net-(D2-A): length 5.1
  Bottom w0.25: D2.2 31.04,97.06 MX2.2
Net-(D3-A): length 5.2
  Bottom w0.25: D3.2 49.84,101.61 MX3.2
Net-(D4-A): length 4.6
  Bottom w0.25: MX4.2 68.99,104.21 D4.2
Net-(D5-A): length 4.8
  Bottom w0.25: D5.2 87.99,101.72 MX5.2
Net-(D6-A): length 5
  Bottom w0.25: MX6.2 106.94,99.41 D6.2
Net-(D7-A): length 5.1
  Bottom w0.2: MX7.2 14.93,80.11 11.94,77.12 D7.2
Net-(D8-A): length 5.1
  Bottom w0.2: D8.2 31.04,77.12 33.98,80.06 MX8.2
Net-(D9-A): length 5.1
  Bottom w0.2: D9.2 49.94,81.82 52.93,84.81 MX9.2
Net-(D10-A): length 5.1
  Bottom w0.2: D10.2 68.94,84.32 71.93,87.31 MX10.2
Net-(D11-A): length 5.1
  Bottom w0.2: D11.2 88.04,81.92 91.01,84.89 MX11.2
Net-(D12-A): length 5
  Bottom w0.2: D12.2 106.99,79.67 109.96,82.64 MX12.2
Net-(D13-A): length 5
  Bottom w0.2: MX13.2 14.96,61.09 D13.2
Net-(D14-A): length 5.1
  Bottom w0.2: MX14.2 33.96,61.09 D14.2
Net-(D15-A): length 5.1
  Bottom w0.2: D15.2 52.96,65.89 MX15.2
Net-(D16-A): length 5.1
  Bottom w0.2: D16.2 71.96,68.29 MX16.2
Net-(D17-A): length 5
  Bottom w0.2: MX17.2 90.96,65.89 D17.2
Net-(D18-A): length 5
  Bottom w0.2: D18.2 109.96,63.59 MX18.2
Net-(D19-A): length 5.1
  Bottom w0.2: D19.2 14.98,42.11 MX19.2
Net-(D20-A): length 4.9
  Bottom w0.2: MX20.2 33.93,42.16 D20.2
Net-(D21-A): length 5.1
  Bottom w0.2: MX21.2 52.98,46.81 D21.2
Net-(D22-A): length 5.1
  Bottom w0.2: D22.2 71.93,49.31 MX22.2
Net-(D23-A): length 5.1
  Bottom w0.2: MX23.2 90.98,46.81 D23.2
Net-(D24-A): length 5
  Bottom w0.2: MX24.2 109.93,44.56 D24.2
Net-(D25-A): length 5
  Bottom w0.2: D25.2 17.33,23.11 MX25.2
Net-(D26-A): length 5.2
  Bottom w0.2: D26.2 41.39,22.11 MX26.2
Net-(D27-A): length 5.1
  Bottom w0.2: MX27.2 63.01,26.33 D27.2
Net-(D28-A): length 5
  Bottom w0.2: MX28.2 84.29,26.73 D28.2
Net-(D29-A): length 5
  Bottom w0.2: D29.2 102.31,20.28 MX29.2
Net-(D30-A): length 5.1
  Bottom w0.2: MX30.2 123.72,23.21 D30.2
Net-(D61-A): length 7.5
  Bottom w0.2: SW1.S1 128.74,54.72 130.7,52.75 D61.2
Net-(J1-CC1): length 3.6
  Top w0.25: 130.99,96.94 130.86,97.07 129.84,97.07 129.24,97.67 128.61,97.67 128.4,97.89 J1.A5
Net-(J1-CC2): length 1.6
  Top w0.25: R7.1 125.39,97.96 125.4,97.97 J1.B5
Net-(LED1-DIN): length 14.2
  Bottom w0.2: LED1.3 17.72,90.54 19.22,89.04 LED2.2
Net-(LED1-DOUT): length 24.6
  Top w0.25: v1(2.99,88.67) 1.99,87.67 1.99,73.27 v1(3.59,71.67)
  Bottom w0.25: v1(2.99,88.67) 3.36,89.04 LED1.2 ; LED7.3 5.22,70.04 v1(3.59,71.67)
Net-(LED2-DIN): length 14.9
  Bottom w0.2: LED2.3 36.46,90.54 39.71,93.79 LED3.2
Net-(LED3-DIN): length 13.9
  Bottom w0.2: 49.56,95.29 55.41,95.29 56.36,96.24 LED4.2
Net-(LED4-DIN): length 15.2
  Bottom w0.2: LED5.2 77.46,93.8 73.52,97.74 68.56,97.74
Net-(LED5-DIN): length 15.1
  Bottom w0.2: LED6.2 96.01,91.45 92.16,95.3 LED5.3
Net-(LED7-DOUT): length 14.2
  Bottom w0.25: LED8.3 19.02,70.04 17.52,71.54 LED7.2
Net-(LED8-DOUT): length 14.8
  Bottom w0.25: LED9.3 38.79,74.77 35.56,71.54 LED8.2
Net-(LED10-DIN): length 14
  Bottom w0.25: LED10.3 56.96,77.24 55.99,76.27 49.56,76.27
Net-(LED10-DOUT): length 15.3
  Bottom w0.25: 68.56,78.74 73.72,78.74 77.65,74.81 82.19,74.81
Net-(LED11-DOUT): length 15.1
  Bottom w0.25: LED11.2 93.05,76.31 96.87,72.49 LED12.3
Net-(LED12-DOUT): length 29.4
  Bottom w0.25: LED18.3 111.36,55.02 112.39,56.05 112.39,72.97 111.37,73.99 LED12.2
Net-(LED13-DIN): length 14.2
  Bottom w0.25: 11.59,52.52 17.54,52.52 19.01,51.05 LED14.2
Net-(LED13-DOUT): length 23.3
  Top w0.25: v1(3.19,32.67) 2.56,33.3 v1(2.56,46.27)
  Bottom w0.25: LED19.3 3.82,32.04 v1(3.19,32.67) ; v1(2.56,46.27) 2.56,47.43 LED13.2
Net-(LED14-DIN): length 14.9
  Bottom w0.25: 30.59,52.55 35.97,52.55 39.25,55.83 LED15.2
Net-(LED15-DIN): length 14
  Bottom w0.25: LED16.2 56.98,58.26 55.99,57.27 55.93,57.33 LED15.3
Net-(LED16-DIN): length 15.2
  Bottom w0.25: LED16.3 73.1,59.76 77.07,55.79 LED17.2
Net-(LED17-DIN): length 15.1
  Bottom w0.25: LED17.3 91.57,57.29 95.34,53.52 LED18.2
Net-(LED19-DOUT): length 14.1
  Bottom w0.25: LED19.2 17.52,33.54 19.02,32.04 LED20.3
Net-(LED20-DOUT): length 14.9
  Bottom w0.25: LED20.2 35.86,33.54 39.06,36.74 LED21.3
Net-(LED21-DOUT): length 13.9
  Bottom w0.25: LED21.2 56.56,38.24 57.61,39.29 LED22.3
Net-(LED22-DOUT): length 15.3
  Bottom w0.25: 68.56,40.79 73.17,40.79 77.17,36.79 LED23.3
Net-(LED23-DOUT): length 15.1
  Bottom w0.25: LED23.2 92.07,38.29 95.87,34.49 LED24.3
Net-(LED24-DOUT): length 37.9
  Bottom w0.25: LED30.3 128.68,31.97 124.67,35.99 LED24.2
Net-(LED25-DIN): length 23.2
  Bottom w0.25: LED26.2 21.29,11.76 18.39,14.67 14.85,14.67 14.72,14.54 LED25.3
Net-(LED26-DIN): length 15.1
  Bottom w0.25: LED26.3 49.03,14.71 50.59,16.27 55.04,16.27 LED27.2
Net-(LED27-DIN): length 15
  Bottom w0.25: LED28.2 73.56,18.09 LED27.3
Net-(LED28-DIN): length 15.5
  Bottom w0.25: LED29.2 90.99,17.95 LED28.3
Net-(LED29-DIN): length 32.4
  Bottom w0.25: LED30.2 122.86,7.6 118.05,7.6 110.84,14.82 LED29.3
Net-(R12-Pad1): length 1.3
  Top w0.25: R13.2 115.09,36.25 R12.1
Net-(SPLIT_L1-CC1): length 2
  Top w0.25: R1.1 129.92,59.71 SPLIT_L1.A5
Net-(SPLIT_L1-CC2): length 2.3
  Top w0.25: R2.1 128.62,62.71 SPLIT_L1.B5
Net-(U3-USB_DM): length 4.7
  Top w0.2: U3.46 127.5,83.77 128.06,84.33 128.06,87.02 R6.1
Net-(U3-USB_DP): length 4.7
  Top w0.2: U3.47 127.1,83.94 127.66,84.5 127.66,87 R4.1

## Copper pours and planes (outline as drawn; the poured copper is in the pictures)
+3V3 on Top: 132.53,85.39 132.52,83.25 130.2,83.28 130.19,82.04 128.87,82.04 128.9,76.85 123.3,76.85 123.3,82.45 126.1,82.45 127.1,82.44 128.1,82.44 128.08,83.75 129.39,83.75 129.39,85.4
GND on Top, Bottom: -4.28,30.81 -3.84,106.65 58.9,114.93 72.98,114.93 110.02,110.65 140.59,109.67 141.36,64.9 141.39,27.87 141.19,24.67 134.79,10.47 129.19,-0.93 123.12,-5.51 102.68,5.68 91.34,8.57 76.44,10.35 56.21,10.13 35.08,3.68 -0.5,6.57
(no net) on Top: 128.1,81.44 124.5,81.44 124.5,78.04 127.1,78.04 127.1,77.24 126.3,77.24 126.3,77.44 123.9,77.44 123.9,81.84 126.85,81.84 126.85,82.17 127.09,82.16 127.1,82.44 128.1,82.44
